# Altium PCB bms_mainboard-1_1.PcbDoc (part 3 of 7)
Units mm, origin at the board's own origin, x right, y up, seen from the top; angles counter-clockwise.
Board outline 287.5 x 127.76 mm, 6 copper layers (L1, L2, L3, L4, L5, L6), stack 1.853 mm thick; 841 components, 653 nets, 2906 pads, 1959 vias.
Unrouted connection lines stored in the file: 199.
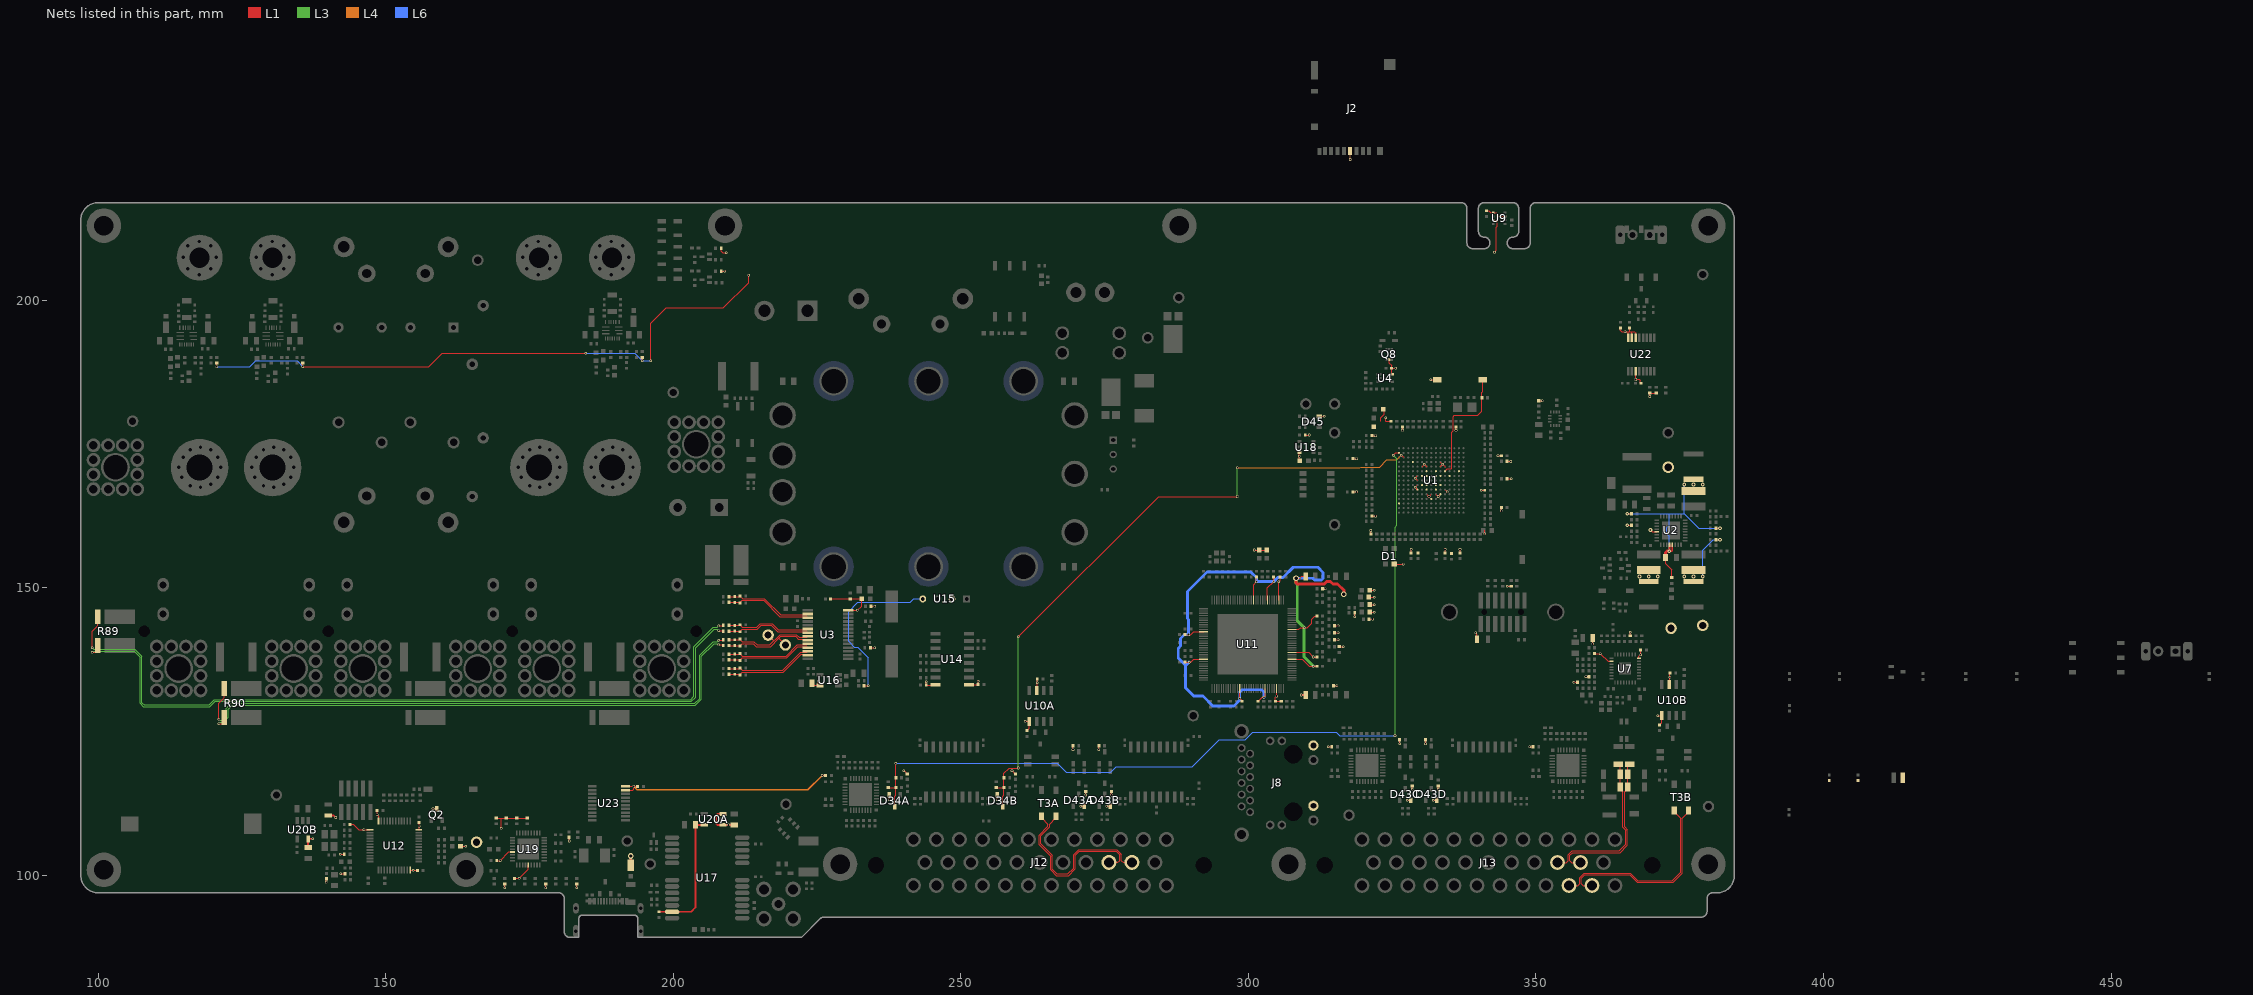
[diagram p7: the nets of this part, all layers, seen from the top]

## Footprints (in the part's own frame and the unit in brackets; to place one, negate y for a bottom-side part, rotate by r counter-clockwise, add the part's x,y. Pads: shape width x height; smd on the part's side, far side on the other; paste and mask are expansions set on the pad) (continued)
TI_PW0020A [mm]
  rect 1.5x0.45 smd mask+0.102: 1(-2.9,2.9) 2(-2.9,2.25) 3(-2.9,1.6) 4(-2.9,0.95) 5(-2.9,0.3) 6(-2.9,-0.35) 7(-2.9,-1) 8(-2.9,-1.65) 9(-2.9,-2.3) 10(-2.9,-2.95) 11(2.9,-2.95) 12(2.9,-2.3) 13(2.9,-1.65) 14(2.9,-1) 15(2.9,-0.35) 16(2.9,0.3) 17(2.9,0.95) 18(2.9,1.6) 19(2.9,2.25) 20(2.9,2.9)
  silkscreen extent -3.1,-3.25 1.8,3.62, body extent -3.2,-3.25 3.2,3.25, height 1.14
TI_RHB [mm]
  oval 0.85x0.27 smd paste+0 mask+0.05: 1(-2.475,1.75) 2(-2.475,1.25) 3(-2.475,0.75) 4(-2.475,0.25) 5(-2.475,-0.25) 6(-2.475,-0.75) 7(-2.475,-1.25) 8(-2.475,-1.75) 17(2.475,-1.75) 18(2.475,-1.25) 19(2.475,-0.75) 20(2.475,-0.25) 21(2.475,0.25) 22(2.475,0.75) 23(2.475,1.25) 24(2.475,1.75)
  oval 0.27x0.85 smd paste+0 mask+0.05: 9(-1.75,-2.475) 10(-1.25,-2.475) 11(-0.75,-2.475) 12(-0.25,-2.475) 13(0.25,-2.475) 14(0.75,-2.475) 15(1.25,-2.475) 16(1.75,-2.475) 25(1.75,2.475) 26(1.25,2.475) 27(0.75,2.475) 28(0.25,2.475) 29(-0.25,2.475) 30(-0.75,2.475) 31(-1.25,2.475) 32(-1.75,2.475)
  rect 3.15x3.15 smd paste-100 mask+0.05: EP(0,0)
  silkscreen extent -2.7,-2.7 2.7,2.7, body extent -2.65,-2.65 2.66,2.66, height 1
TO-247-2_VERTICAL [mil]
  round 120 hole 62.99: 1(200,0) 2(-200,0)
  silkscreen extent -310,-111 310,84, body extent -310,-111 310,84, height 965
TP_RH-5000 [mm]
  round 2 hole 1.25: 1(0,0)
  silkscreen extent -1.25,-1.25 1.25,1.25, body extent -1.25,-1.24 1.25,1.24, height 4.59
TP_RH-5001 [mm]
  round 2 hole 1.25: 1(0,0)
  silkscreen extent -1.25,-1.25 1.25,1.25, body extent -1.24,-1.25 1.24,1.25, height 4.59
TP_RH-5002 [mm]
  round 2 hole 1.25: 1(0,0)
  silkscreen extent -1.25,-1.25 1.25,1.25, body extent -1.24,-1.25 1.24,1.25, height 4.59
TT_67W [mil]
  rect 50x50 hole 28: 1(-98.43,0)
  round 50 hole 28: 2(0,0) 3(98.43,0)
  silkscreen extent -189,-91 193,98, body extent -193,-92 193,98, height 476
VICOR_HEATSINK_30183 [mm]
  body extent -3.56,-29.08 54.36,8.25, height 36.33
VICOR_MICRO_SOCKET_TEMPLATE [mm]
  silkscreen extent -3.56,-28.58 54.36,8.26, body extent -3.56,-28.57 54.36,8.26, height 12.94
VISHAY_WSL2726 [mm]
  rect 2.6x5.3 smd: 1(-2.5,1.75) 2(2.5,1.75)
  rect 2.6x1 smd: 3(-2.5,-2.05) 4(2.5,-2.05)
  silkscreen extent -0.9,-2.5 0.9,4.35, body extent -3.45,-2.4 3.45,4.2, height 2.95
WURTH_TERM_7461086 [mm]
  round 2.4 hole 1.475: 0(-3.81,-3.81) 0(-3.81,-1.27) 0(-3.81,1.27) 0(-3.81,3.81) 0(-1.27,-3.81) 0(-1.27,3.81) 0(1.27,-3.81) 0(1.27,3.81) 0(3.81,-3.81) 0(3.81,-1.27) 0(3.81,1.27) 0(3.81,3.81)
  round 5 hole 4.2: 0(0,0)
  L1 region: -5.08,-5.08 5.08,-5.08 5.08,5.08 -5.08,5.08
  L6 region: -5.08,-5.08 5.08,-5.08 5.08,5.08 -5.08,5.08
  body extent -4.5,-4.5 4.5,4.5, height 6.01
WURTH_WR-FPC_1.00mm_686108183822 [mm]
  rect 0.6x1.5 smd: 1(-3.5,-1.8) 2(-2.5,1) 3(-1.5,-1.8) 4(-0.5,1) 5(0.5,-1.8) 6(1.5,1) 7(2.5,-1.8) 8(3.5,1)
  rect 0.8x1.5 smd: EP0(-5,-1.8) EP1(-5,1) EP2(5,1) EP3(5,-1.8)
  silkscreen extent -7.47,-3.15 7.48,1.31, body extent -7.4,-2.05 7.4,1.55, height 4
XTAL_HC49US_SMD [mil]
  rect 220x83 smd: 1(-187,0) 2(187,0)
  silkscreen extent -230,-95 230,95, body extent -250,-92 250,93, height 165
XTAL_TXC_7A [mm] "Chip Capacitor, 2-Leads, Body 5.0x3.2mm, IPC Medium Density"
  rect 1.7x2.4 smd: 1(-1.85,0) 2(1.85,0)
  silkscreen extent -2.42,-1.53 2.43,1.53, body extent -2.5,-1.6 2.5,1.6, height 1.36
XTAL_TXC_9HT10 [mm] "Chip Capacitor, 2-Leads, Body 3.2x1.5mm, IPC Medium Density"
  rect 1.55x1.65 smd: 1(-1.275,0) 2(1.275,0)
  silkscreen extent -0.1,-0.72 0.1,0.72, body extent -1.65,-0.8 1.65,0.8, height 0.85

## Part data
BT1: library part HOLDER_BATT_CR2032_HARWIN_S8421-45R, "EZ-Coin Cell Battery Retainer, Horizontal SMT, for CR2032 Coin Cell Batteries", Manufacturer=Harwin, Supplier Part Number 1=952-1737-1-ND, ComponentLink1Description=Datasheet, ComponentLink1URL=https://cdn.harwin.com/pdfs/S8421R.pdf, Manufacturer Part Number=S8421-45R, Supplier 1=Digikey, Supplier 2=LCSC, Supplier Part Number 2=C5185176
C1 C2 C4 C5 C6 C7 C8 C9 C10 C19 C24 C26 C30 C32 C37 C43 C45 C47A C47B C47C C50A C50B C50C C52A C52B C52C C52D C52E C54A C54B C54C C54D C54E C55 C56 C57A C57B C57C C57D C57E C63 C64 C65 C66 C69 C70 C72 C73A C73B C74 C75 C82A C82B C82C C84A C84B C84C C91 C94 C95 C96 C100 C101A C101B C102A C102B C103A C103B C104 C105 C106 C107 C108 C109 C110 C112 C113 C114 C115 C116 C117 C118 C119 C120 C121 C122 C123 C124 C125 C126 C128 C129 C130 C131 C132 C133 C141 C142 C143 C144 C149A C149B C152A C152B C152C C153A C153B C153C C158 C159 C161 C164 C165 C166 C167 C169 C171 C172 C190 C191 C192 C193 C194 C201: Capacitance=100n, Dielectric=X7R, Manufacturer="Samsung Electro-Mechanics", Package=0402, Voltage Rating=50V, ComponentLink1Description=Datasheet, ComponentLink1URL=https://wmsc.lcsc.com/wmsc/upload/file/pdf/v2/lcsc/2304140030_Samsung-Electro-Mechanics-CL05B104KB54PNC_C307331.pdf, Manufacturer Part Number=CL05B104KB54PNC, Supplier 2=LCSC, Supplier Part Number 2=C307331
C3 C11 C48A C48B C48C C51A C51B C51C C71 C138 C148A C148B C150A C150B C150C C151A C151B C151C C154A C154B C154C C155A C155B C155C C156A C156B C156C C157A C157B C157C C188A C188B C188C C188D C199A C199B: Capacitance=10n, Dielectric=X7R, Manufacturer="Samsung Electro-Mechanics", Package=0402, Voltage Rating=50V, ComponentLink1Description=Datasheet, ComponentLink1URL=https://wmsc.lcsc.com/wmsc/upload/file/pdf/v2/lcsc/2304140030_Samsung-Electro-Mechanics-CL05B103KB5NNNC_C15195.pdf, Manufacturer Part Number=CL05B103KB5NNNC, Supplier 2=LCSC, Supplier Part Number 2=C15195
C12 C13 C85A C85B C85C C145 C160 C168 C170: Capacitance=10u, Dielectric=X5R, Manufacturer="Samsung Electro-Mechanics", Package=0603, Voltage Rating=25V, ComponentLink1Description=Datasheet, ComponentLink1URL=https://wmsc.lcsc.com/wmsc/upload/file/pdf/v2/lcsc/2304140030_Samsung-Electro-Mechanics-CL10A106MA8NRNC_C96446.pdf, Manufacturer Part Number=CL10A106MA8NRNC, Supplier 2=LCSC, Supplier Part Number 2=C96446
C14 C34 C35 C36 C77 C137 C147: Capacitance=27p, Dielectric=C0G, Manufacturer="FH(Guangdong Fenghua Advanced Tech)", Package=0402, Voltage Rating=50V, ComponentLink1Description=Datasheet, ComponentLink1URL=https://wmsc.lcsc.com/wmsc/upload/file/pdf/v2/lcsc/2304140030_FH--Guangdong-Fenghua-Advanced-Tech-0402CG270J500NT_C1557.pdf, Manufacturer Part Number=0402CG270J500NT, Supplier 2=LCSC, Supplier Part Number 2=C1557
C15 C16 C78 C79 C135 C136 C139 C140: Capacitance=6p, Dielectric=C0G, Manufacturer="FH(Guangdong Fenghua Advanced Tech)", Package=0402, Voltage Rating=50V, ComponentLink1Description=Datasheet, ComponentLink1URL=https://wmsc.lcsc.com/wmsc/upload/file/pdf/v2/lcsc/2304140030_FH--Guangdong-Fenghua-Advanced-Tech-0402CG6R0C500NT_C1575.pdf, Manufacturer Part Number=0402CG6R0C500NT, Supplier 2=LCSC, Supplier Part Number 2=C1575
C17 C18: Capacitance=15p, Dielectric=C0G, Manufacturer="FH(Guangdong Fenghua Advanced Tech)", Package=0402, Voltage Rating=50V, ComponentLink1Description=Datasheet, ComponentLink1URL=https://wmsc.lcsc.com/wmsc/upload/file/pdf/v2/lcsc/2304140030_FH--Guangdong-Fenghua-Advanced-Tech-0402CG150J500NT_C1548.pdf, Manufacturer Part Number=0402CG150J500NT, Supplier 2=LCSC, Supplier Part Number 2=C1548
C20 C27 C81A C81B C81C C83A C83B C83C: Capacitance=4.7u, Dielectric=X7R, Manufacturer="FH (Guangdong Fenghua Advanced Tech)", Package=0805, Voltage Rating=50V, ComponentLink1Description=Datasheet, ComponentLink1URL=https://wmsc.lcsc.com/wmsc/upload/file/pdf/v2/lcsc/2204111630_FH--Guangdong-Fenghua-Advanced-Tech-0805B475K500NT_C2991173.pdf, Manufacturer Part Number=0805B475K500NT, Supplier 2=LCSC, Supplier Part Number 2=C2991173
C21: Capacitance=10u, Dielectric=X7R, Manufacturer="Samsung Electro-Mechanics", Package=0805, Voltage Rating=16V, ComponentLink1Description=Datasheet, ComponentLink1URL=https://wmsc.lcsc.com/wmsc/upload/file/pdf/v2/lcsc/2304140030_Samsung-Electro-Mechanics-CL21B106KOQNNNE_C95841.pdf, Manufacturer Part Number=CL21B106KOQNNNE, Supplier 2=LCSC, Supplier Part Number 2=C95841
C22 C28 C31: Capacitance=33u, Dielectric=X7R, Manufacturer=TDK, Package=1812, Voltage Rating=16V, ComponentLink1Description=Datasheet, ComponentLink1URL=https://wmsc.lcsc.com/wmsc/upload/file/pdf/v2/lcsc/2304140030_TDK-C4532X7R1C336MT000N_C342604.pdf, Manufacturer Part Number=C4532X7R1C336MT000N, Supplier 2=LCSC, Supplier Part Number 2=C342604
C23: Capacitance=22u, Dielectric=X7R, Manufacturer=TDK, Package=2220, Voltage Rating=25V, ComponentLink1Description=Datasheet, ComponentLink1URL=https://wmsc.lcsc.com/wmsc/upload/file/pdf/v2/lcsc/2409291207_TDK-C5750X7R1E226MT000N_C76694.pdf, Manufacturer Part Number=C5750X7R1E226MT000N, Supplier 2=LCSC, Supplier Part Number 2=C76694
C25 C29 C33 C49A C49B C49C: Capacitance=2.2n, Dielectric=X7R, Manufacturer=YAGEO, Package=0402, Voltage Rating=100V, ComponentLink1Description=Datasheet, ComponentLink1URL=https://wmsc.lcsc.com/wmsc/upload/file/pdf/v2/lcsc/2211211800_YAGEO-CC0402KRX7R0BB222_C576731.pdf, Manufacturer Part Number=CC0402KRX7R0BB222, Supplier 2=LCSC, Supplier Part Number 2=C576731
C38 C41 C93 C111 C127 C146 C162 C163 C189 C197A C197B C198A C198B C202: Capacitance=10u, Dielectric=X7R, Manufacturer="Samsung Electro-Mechanics", Package=0805, Voltage Rating=25V, ComponentLink1Description=Datasheet, ComponentLink1URL=https://datasheet.lcsc.com/lcsc/2206222030_Samsung-Electro-Mechanics-CL21B106KAYQNNE_C3039694.pdf, Manufacturer Part Number=CL21B106KAYQNNE, Supplier 2=LCSC, Supplier Part Number 2=C3039694
C39 C40 C67 C68 C92 C200: Capacitance=1u, Dielectric=X7R, Manufacturer="Taiyo Yuden", Package=0603, Voltage Rating=35V, ComponentLink1Description=Datasheet, ComponentLink1URL=https://datasheet.lcsc.com/lcsc/2304140030_Taiyo-Yuden-GMK107AB7105KAHT_C841050.pdf, Manufacturer Part Number=GMK107AB7105KAHT, Supplier 2=LCSC, Supplier Part Number 2=C841050
C42 C44 C46 C99: Capacitance=2.2u, Dielectric=X7T, Manufacturer=TDK, Package=2220, Voltage Rating=250V, ComponentLink1Description=Datasheet, ComponentLink1URL=https://wmsc.lcsc.com/wmsc/upload/file/pdf/v2/lcsc/2304140030_TDK-C5750X7T2E225KT000N_C435266.pdf, Manufacturer Part Number=C5750X7T2E225KT000N, Supplier 2=LCSC, Supplier Part Number 2=C435266
C53: Capacitance=15n, Dielectric=X7R, Manufacturer="FH(Guangdong Fenghua Advanced Tech)", Package=0402, Voltage Rating=25V, ComponentLink1Description=Datasheet, ComponentLink1URL=https://wmsc.lcsc.com/wmsc/upload/file/pdf/v2/lcsc/2304140030_FH--Guangdong-Fenghua-Advanced-Tech-0402B153K250NT_C285020.pdf, Manufacturer Part Number=0402B153K250NT, Supplier 2=LCSC, Supplier Part Number 2=C285020
C58 C61: Capacitance=4.7n, Dielectric=C0G, Manufacturer="Murata Electronics", Package=0805, Voltage Rating=250V, ComponentLink1Description=Datasheet, ComponentLink1URL=https://wmsc.lcsc.com/wmsc/upload/file/pdf/v2/lcsc/1912111437_Murata-Electronics-GCM21B5C2E472JX01L_C415370.pdf, Manufacturer Part Number=GCM21B5C2E472JX01L, Supplier 2=LCSC, Supplier Part Number 2=C415370
C59 C62: Capacitance=10n, Dielectric=C0G, Manufacturer="Murata Electronics", Package=0805, Voltage Rating=250V, ComponentLink1Description=Datasheet, ComponentLink1URL=https://wmsc.lcsc.com/wmsc/upload/file/pdf/v2/lcsc/2308111754_Murata-Electronics-GRM21B5C2E103JWAAL_C3870620.pdf, Manufacturer Part Number=GRM21B5C2E103JWAAL, Supplier 2=LCSC, Supplier Part Number 2=C3870620
C60: library part AUTO_CAP_ALUM_220UF_220V_EKXJ221ELL221MM25S, "Aluminum Electrolytic Capacitor, Polarized, Aluminum (wet), 220V, 20% +Tol, 20% -Tol, 220uF, Through Hole Mount", Capacitance="220 uF", Manufacturer="United Chemi-Con", Supplier Part Number 1=565-EKXJ221ELL221MM25S-ND, Voltage="220 V", ComponentLink4Description=Datasheet, ComponentLink4URL=http://www.chemi-con.co.jp/cgi-bin/CAT_DB/SEARCH/cat_db_al.cgi?e=e&amp;j=p&amp;pdfname=kxj, Manufacturer Part Number=EKXJ221ELL221MM25S, Supplier 1=Digikey, Supplier 2=LCSC, Supplier Part Number 2=C1600234
C80: Capacitance=10u, Dielectric=X7R, Manufacturer="Samsung Electro-Mechanics", Package=1206, Voltage Rating=50V, ComponentLink1Description=Datasheet, ComponentLink1URL=https://wmsc.lcsc.com/wmsc/upload/file/pdf/v2/lcsc/1810221111_Samsung-Electro-Mechanics-CL31B106KBHNNNE_C89632.pdf, Manufacturer Part Number=CL31B106KBHNNNE, Supplier 2=LCSC, Supplier Part Number 2=C89632
C86A C86B C86C: Capacitance=47n, Dielectric=X7R, Manufacturer="FH(Guangdong Fenghua Advanced Tech)", Package=0402, Voltage Rating=50V, ComponentLink1Description=Datasheet, ComponentLink1URL=https://wmsc.lcsc.com/wmsc/upload/file/pdf/v2/lcsc/2304140030_FH--Guangdong-Fenghua-Advanced-Tech-0402B473K500NT_C82219.pdf, Manufacturer Part Number=0402B473K500NT, Supplier 2=LCSC, Supplier Part Number 2=C82219
C87A C87B C87C: Capacitance=470p, Dielectric=C0G, Manufacturer="Murata Electronics", Package=0402, Voltage Rating=50V, ComponentLink1Description=Datasheet, ComponentLink1URL=https://wmsc.lcsc.com/wmsc/upload/file/pdf/v2/lcsc/1811081616_Murata-Electronics-GRM1555C1H471JA01D_C76971.pdf, Manufacturer Part Number=GRM1555C1H471JA01D, Supplier 2=LCSC, Supplier Part Number 2=C76971
C88 C89: Capacitance=100n, Dielectric=X7R, Manufacturer="PSA(Prosperity Dielectrics)", Package=1206, Voltage Rating=250V, ComponentLink1Description=Datasheet, ComponentLink1URL=https://wmsc.lcsc.com/wmsc/upload/file/pdf/v2/lcsc/2409271633_PSA-Prosperity-Dielectrics-FM31X104K251EEG_C365814.pdf, Manufacturer Part Number=FM31X104K251EEG, Supplier 2=LCSC, Supplier Part Number 2=C365814
C90: Capacitance=220n, Dielectric=X7R, Manufacturer="PSA(Prosperity Dielectrics)", Package=1210, Voltage Rating=250V, ComponentLink1Description=Datasheet, ComponentLink1URL=https://wmsc.lcsc.com/wmsc/upload/file/pdf/v2/lcsc/2304140030_PSA-Prosperity-Dielectrics-FM32X224K251EEG_C146177.pdf, Manufacturer Part Number=FM32X224K251EEG, Supplier 2=LCSC, Supplier Part Number 2=C146177
C98 C134: Capacitance=100p, Dielectric=C0G, Manufacturer="FH(Guangdong Fenghua Advanced Tech)", Package=0402, Voltage Rating=50V, ComponentLink1Description=Datasheet, ComponentLink1URL=https://wmsc.lcsc.com/wmsc/upload/file/pdf/v2/lcsc/2304140030_FH--Guangdong-Fenghua-Advanced-Tech-0402CG101J500NT_C1546.pdf, Manufacturer Part Number=0402CG101J500NT, Supplier 2=LCSC, Supplier Part Number 2=C1546
C173 C174: Capacitance=220n, Dielectric=X7R, Manufacturer="Taiyo Yuden", Package=0402, Voltage Rating=25V, ComponentLink1Description=Datasheet, ComponentLink1URL=https://datasheet.lcsc.com/lcsc/2009251208_Taiyo-Yuden-TMK105B7224KV-FR_C841047.pdf, Manufacturer Part Number=TMK105B7224KV-FR, Supplier 2=LCSC, Supplier Part Number 2=C841047
C178A C178B C179A C179B: Capacitance=100p, Dielectric=C0G, Manufacturer="Kyocera AVX", Package=0402, Voltage Rating=16V, ComponentLink1Description=Datasheet, ComponentLink1URL=https://datasheet.lcsc.com/lcsc/2304140030_Kyocera-AVX-0402YA101JAT2A_C2174471.pdf, Manufacturer Part Number=0402YA101JAT2A, Supplier 2=LCSC, Supplier Part Number 2=C2174471
C195 C196: Capacitance=33p, Dielectric=C0G, Manufacturer="FH(Guangdong Fenghua Advanced Tech)", Package=0402, Voltage Rating=50V, ComponentLink1Description=Datasheet, ComponentLink1URL=https://wmsc.lcsc.com/wmsc/upload/file/pdf/v2/lcsc/2304140030_FH--Guangdong-Fenghua-Advanced-Tech-0402CG330J500NT_C1562.pdf, Manufacturer Part Number=0402CG330J500NT, Supplier 2=LCSC, Supplier Part Number 2=C1562
D1: library part LED_RGB_XL-3528RGBW-HM, "LED Multi-Color Chip Red/Green/Blue 621nm/525nm/468nm 25mA/15mA/15mA 4-Pin PLCC T/R", Manufacturer=XINGLIGHT, Supplier Part Number 1=5962-XL-3528RGBW-HMTR-ND, ComponentLink1Description=Datasheet, ComponentLink1URL=https://mm.digikey.com/Volume0/opasdata/d220001/medias/docus/8903/XL-3528RGBW-HM.pdf, Manufacturer Part Number=XL-3528RGBW-HM, Supplier 1=Digikey, Supplier 2=LCSC, Supplier Part Number 2=C2843813
D2A D2B D15 D17: library part TVS_PESD2USB3UX-T, "DIODE ESD USB SOT-23", Manufacturer="Nexperia USA Inc.", Supplier Part Number 1=1727-PESD2USB3UX-CT-ND, ComponentLink1Description=Datasheet, ComponentLink1URL=https://assets.nexperia.com/documents/data-sheet/PESD2USB3UX-T.pdf, Manufacturer Part Number=PESD2USB3UX, Supplier 1=Digikey, Supplier 2=LCSC, Supplier Part Number 2=C3708426
D3 D10 D14 D35A D35B D35C D36A D36B D36C D39: library part SCHOTTKY_30V_BAT54XV2T1G, "ON Semi BAT54XV2T1G; SMT Schottky Diode; 30V 200mA; 5ns; 2-Pin SOD-523", Current="200 mA", Manufacturer=onsemi, Supplier Part Number 1=BAT54XV2T1GOSCT-ND, Voltage="30 V", Manufacturer Part Number=BAT54XV2T1G, Supplier 1=DigiKey, Supplier 2=LCSC, Supplier Part Number 2=C81572
  D10 D14 D35A D35B D35C D36A D36B D36C D39: ComponentLink1Description=Datasheet, ComponentLink1URL=https://www.onsemi.com/pdf/datasheet/bat54xv2t1-d.pdf
D4: library part ZENER_3.3V_SZMM5Z3V3T1G, "500 mW Standard Tolerance Zener Diode Voltage Regulators 3.3 V (Automotive)", Current=5mA, Manufacturer=onsemi, Supplier Part Number 1=SZMM5Z3V3T1GOSCT-ND, Voltage=3.3V, ComponentLink1Description=Datasheet, ComponentLink1URL=https://www.onsemi.com/pdf/datasheet/mm5z2v4t1-d.pdf, Manufacturer Part Number=SZMM5Z3V3T1G, Supplier 1=DigiKey, Supplier 2=LCSC, Supplier Part Number 2=C464127
D5 D18 D22A D22B D22C D24: library part LED_0603_YELLOW_LTST-C190YKT, "LED YELLOW CLEAR 0603 SMD", Manufacturer="Lite-On Inc", Supplier Part Number 1=160-1184-1-ND, ComponentLink1Description=Datasheet, ComponentLink1URL=https://mm.digikey.com/Volume0/opasdata/d220001/medias/docus/1176/LTST-C190YKT.pdf, Manufacturer Part Number=LTST-C190YKT, Supplier 1=Digikey, Supplier 2=LCSC, Supplier Part Number 2=C125097
D6: library part SCHOTTKY_B340A-13-F, "Rectifier Diode, Schottky, 1 Phase, 1 Element, 3A, 40V V(RRM), Silicon", Manufacturer=Diodes, Supplier Part Number 1=B340A-FDICT-ND, ComponentLink1Description=Datasheet, ComponentLink1URL=https://www.diodes.com/assets/Datasheets/ds30891.pdf, Manufacturer Part Number=B340A-13-F, Supplier 1=Digikey, Supplier 2=LCSC, Supplier Part Number 2=C85098
D7 D8 D19A D19B D19C D32: library part LED_0603_RED_LTST-C190KRKT, "LED SUPER RED CLEAR 0603 SMD", Manufacturer="Lite-On Inc", Supplier Part Number 1=160-1436-1-ND, ComponentLink1Description=Datasheet, ComponentLink1URL=https://optoelectronics.liteon.com/upload/download/DS-22-99-0151/LTST-C190KRKT.pdf, Manufacturer Part Number=LTST-C190KRKT, Supplier 1=Digikey, Supplier 2=LCSC, Supplier Part Number 2=C94869
D9: library part ZENER_MM3Z56VC, "DIODE ZENER 56V 200MW SOD", Manufacturer=onsemi, Supplier Part Number 1=488-MM3Z56VCCT-ND, Voltage - Zener (Nom) (Vz)="56 V", ComponentLink1Description=Datasheet, ComponentLink1URL=https://www.onsemi.com/pdf/datasheet/mm3z9v1c-d.pdf, Manufacturer Part Number=MM3Z56VC, Supplier 1=Digikey, Supplier 2=LCSC, Supplier Part Number 2=C891632
D11: library part ZENER_MM3Z15VC, "DIODE ZENER 15V 200MW SOD", Manufacturer=onsemi, Supplier Part Number 1=MM3Z15VCCT-ND, Voltage - Zener (Nom) (Vz)="15 V", ComponentLink1Description=Datasheet, ComponentLink1URL=https://www.onsemi.com/pdf/datasheet/mm3z9v1c-d.pdf, Manufacturer Part Number=MM3Z15VC, Supplier 1=Digikey, Supplier 2=LCSC, Supplier Part Number 2=C891582
D12: library part TVS_UNI_5.0SMDJ12A, "TVS 5000W 12V UNIDIRECT SMCJ", Manufacturer=Littelfuse, Supplier Part Number 1=5.0SMDJ12ACT-ND, ComponentLink1Description=Datasheet, ComponentLink1URL=https://www.littelfuse.com/media?resourcetype=datasheets&itemid=2b2f4a8c-2e81-4894-8d41-3d748bb79e68&filename=littelfuse-tvs-diode-5-0smdj-datasheet, Manufacturer Part Number=5.0SMDJ12A, Supplier 1=Digikey, Supplier 2=LCSC, Supplier Part Number 2=C126819
D13: library part TVS_UNI_30KPA120A, "Trans Voltage Suppressor Diode, 30000W, 120V V(RWM), Unidirectional, 1 Element, Silicon", Clamping Voltage-Max=194.4V, Manufacturer=Littelfuse, Min Breakdown Voltage=134V, Non-rep Peak Rev Power Dis-Max=30kW, Supplier Part Number 1=30KPA120A-ND, ComponentLink1Description=Datasheet, ComponentLink1URL=https://mm.digikey.com/Volume0/opasdata/d220001/medias/docus/4180/30KPA_Series.pdf, Manufacturer Part Number=30KPA120A, Supplier 1=Digikey, Supplier 2=LCSC, Supplier Part Number 2=C1984717
D16 D20A D20B D20C D21A D21B D21C: library part SCHOTTKY_MSS2P2-M3/89A, "DIODE SCHOTTKY 20V 2A MICROSMP", Manufacturer="Vishay Semiconductor Diodes Division", Supplier Part Number 1=MSS2P2-M3/89AGICT-ND, ComponentLink1Description=Datasheet, ComponentLink1URL=http://www.vishay.com/docs/89054/mss2p3.pdf, Manufacturer Part Number=MSS2P2-M3/89A, Supplier 1=Digikey, Supplier 2=LCSC, Supplier Part Number 2=C2978531
D23 D37: library part SCHOTTKY_45V_SBR10E45P5-7, "Rectifier Diode, 1 Phase, 1 Element, 10A, 45V V(RRM), Silicon", Current=10A, Manufacturer=Diodes, Supplier Part Number 1=SBR10E45P5-7DICT-ND, Voltage="45 V", ComponentLink1Description=Datasheet, ComponentLink1URL=https://www.diodes.com/assets/Datasheets/SBR10E45P5.pdf, Manufacturer Part Number=SBR10E45P5-7, Supplier 1=Digikey, Supplier 2=LCSC, Supplier Part Number 2=C73569
D25A D25B: library part TVS_PESD2CAN, "DIODE ESD CAN SOT-23", Manufacturer="NXP Semiconductors", Supplier Part Number 1=1727-3891-1-ND, ComponentLink1Description=Datasheet, ComponentLink1URL=https://assets.nexperia.com/documents/data-sheet/PESD2CAN.pdf, Manufacturer Part Number=PESD2CAN,215, Supplier 1=Digikey, Supplier 2=LCSC, Supplier Part Number 2=C75176
D26 D28 D30 D33: library part LED_0603_GREEN_LTST-C190GKT, "LED GREEN CLEAR 0603 SMD", Manufacturer="Lite-On Inc", Supplier Part Number 1=160-1183-1-ND, ComponentLink1Description=Datasheet, ComponentLink1URL=https://mm.digikey.com/Volume0/opasdata/d220001/medias/docus/858/LTST-C190GKT.pdf, Manufacturer Part Number=LTST-C190GKT, Supplier 1=Digikey, Supplier 2=LCSC, Supplier Part Number 2=C125093
D27 D29 D31: library part LED_0603_AMBER_LTST-C190AKT, "LED AMBER CLEAR 0603 SMD", Manufacturer="Lite-On Inc", Supplier Part Number 1=160-1180-1-ND, ComponentLink1Description=Datasheet, ComponentLink1URL=https://mm.digikey.com/Volume0/opasdata/d220001/medias/docus/1139/LTST-C190AKT.pdf, Manufacturer Part Number=LTST-C190AKT, Supplier 1=Digikey, Supplier 2=LCSC, Supplier Part Number 2=C6085129
D34A D34B D43A D43B D43C D43D D44A D44B D44C D44D D45: library part SCHOTTKY_30V_DUAL_BAT54SLT1G, "DIODE SCHOTTKY DUAL 30V SOT23", Manufacturer="ON Semiconductor", Supplier Part Number 1=BAT54SLT1GOSCT-ND, ComponentLink1Description=Datasheet, ComponentLink1URL=https://www.onsemi.com/pdf/datasheet/bat54slt1-d.pdf, Manufacturer Part Number=BAT54SLT1G, RoHS="RoHS Compliant", Supplier 1=Digikey, Supplier 2=LCSC, Supplier Part Number 2=C19726
D42: library part TVS_UNI_3.3V_PTVSLC3D3V3B, "-55℃~+150℃ 1uA 20A@8/20us 21V 3.3V 3.5pF 350W@8/20us 4V Bidirectional IEC 61000-4-2 TVS SOD-323 ESD and Surge Protection (TVS/ESD) ROHS", Clamping Voltage-Max=21V, Manufacturer=Prisemi, Min Breakdown Voltage=4V, Non-rep Peak Rev Power Dis-Max=350W, Supplier Part Number 1=C246774, ComponentLink1Description=Datasheet, ComponentLink1URL=https://mm.digikey.com/Volume0/opasdata/d220001/medias/docus/4180/30KPA_Series.pdf, Manufacturer Part Number=PTVSLC3D3V3B, Supplier 1=LCSC
F1 F4: library part FUSE_EATON_ELV10-80-2P, "FUSE EV 80A 200VDC 2P TERM", Manufacturer=Eaton, Supplier Part Number 1=283-ELV10-80-2P-ND, ComponentLink1Description=Datasheet, ComponentLink1URL=https://www.eaton.com/content/dam/eaton/products/electronic-components/resources/data-sheet/eaton-elv10-10x25mm-ev-fuse-data-sheet-elx1302-en.pdf, Manufacturer Part Number=ELV10-80-2P, Supplier 1=Digikey